# Altium PCB RFFE.PcbDoc (part 4 of 7)
Units mm, origin at the board's own origin, x right, y up, seen from the top; angles counter-clockwise.
Board outline 301.13 x 195.92 mm, 10 copper layers (RFsignal Top, Ground RF signal, Supply, SupplyGND, Digital signal, DigitalGND, CallTone RF, Ground Calltone, Ground RF signal (Plane6), RFsignal Bottom), stack 1.907 mm thick; 558 components, 369 nets, 2153 pads, 4580 vias.
Unrouted connection lines stored in the file: 1.
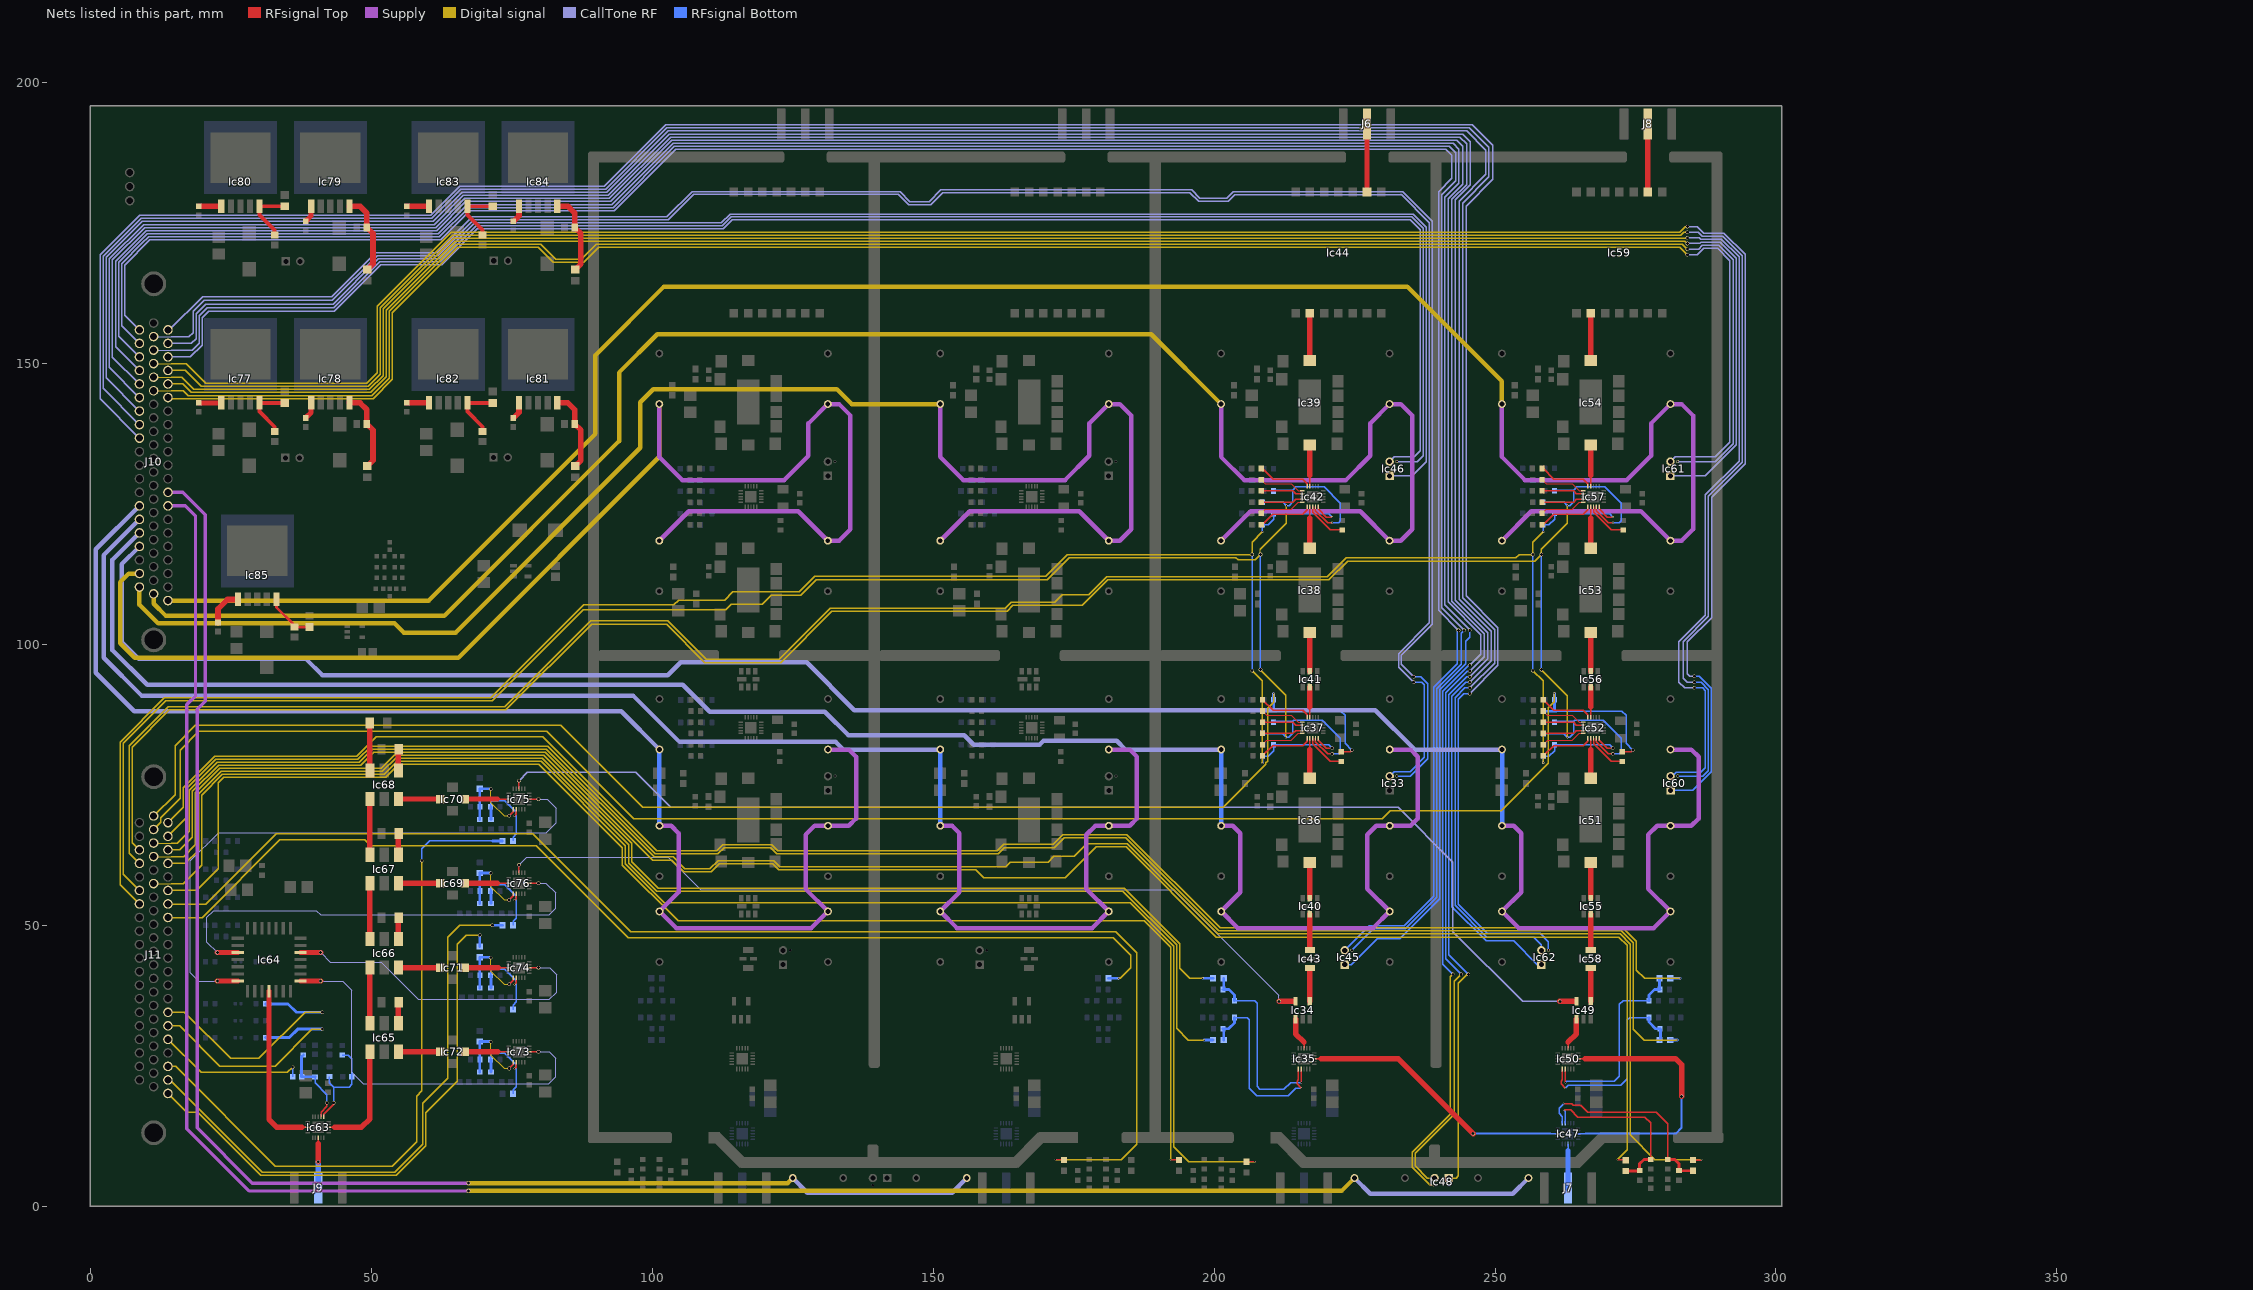
[diagram p12: the nets of this part, all layers, seen from the top]

## Via types
v1: diameter 0.35, hole 0.254, RFsignal Top to RFsignal Bottom, 1882 vias
v2: diameter 0.635, hole 0.508, RFsignal Top to RFsignal Bottom, 1038 vias
v3: diameter 0.33, hole 0.254, RFsignal Top to RFsignal Bottom, 963 vias
v4: diameter 0.381, hole 0.254, RFsignal Top to RFsignal Bottom, 596 vias
v5: diameter 1.27, hole 0.762, RFsignal Top to RFsignal Bottom, 41 vias
v6: diameter 3.9, hole 2.65, RFsignal Top to RFsignal Bottom, 20 vias
v7: diameter 0.85, hole 0.8, RFsignal Top to RFsignal Bottom, 15 vias
v8: diameter 0.635, hole 0.508, RFsignal Top to RFsignal Bottom, tented bottom, 9 vias
v9: diameter 0.6, hole 0.508, RFsignal Top to RFsignal Bottom, 8 vias
v10: diameter 5, hole 3.5, RFsignal Top to RFsignal Bottom, 4 vias
v11: diameter 1.1, hole 1, RFsignal Top to RFsignal Bottom, 2 vias
v12: diameter 1.27, hole 0.762, RFsignal Top to RFsignal Bottom, tented top, 1 vias
v13: diameter 0.85, hole 0.8, RFsignal Top to RFsignal Bottom, tented top, 1 vias

## Nets (pads, with @x,y where several pads share a name; then routed paths per layer and width w, separated by ;. In a path a pad name is that pad's centre, name@x,y a point inside that pad or via, vN(x,y) a via of type N, cw(c..) or ccw(c..) an arc to the next point about the centre after c; other vN are vias at no path point) (continued)
NetIc33_2: Ic33.2 Ic33.3 J10.1 J10.23 | length 700.1
  CallTone RF w0.127: J10.23@11.21,154.795 14.337,154.795
  CallTone RF w0.254: J10.1@14.022,156 19.934,161.912 42.914,161.912 50.759,169.756 61.563,169.756 67.935,176.128 102.589,176.128 107.075,180.614 144.078,180.614 145.851,178.841 149.291,178.841 151.354,180.905 195.977,180.905 197.466,179.416 202.236,179.416 203.434,180.614 233.57,180.614 238.857,175.327 238.857,103.588 233.295,98.026 233.295,96.455 v2(235.5,94.25) ; 14.337,154.795 17.495,154.795 18.218,155.518 18.218,159.267 20.206,161.255 43.027,161.255 50.984,169.212 61.788,169.212 68.16,175.584 102.814,175.584 107.34,180.11 143.787,180.11 145.618,178.279 149.524,178.279 151.646,180.401 195.686,180.401 197.233,178.854 202.469,178.854 203.666,180.051 233.247,180.051 233.305,180.11 238.313,175.102 238.313,103.813 232.821,98.321 232.821,95.929 v2(235.5,93.25)
  RFsignal Bottom w0.254: Ic33.2@231.557,76.54 Ic33.2@231.25,76.54 232.05,77.34 234.887,77.34 237.442,79.895 237.442,92.808 237,93.25 v2(235.5,93.25) ; Ic33.3@232.52,76.56 234.876,76.56 237.986,79.67 237.986,93.033 236.769,94.25 v2(235.5,94.25)
NetIc34_3: Ic34.3 Ic35.8 | length 5.8
  RFsignal Top w0.25: Ic35.8@216,28.095 216,29.18
  RFsignal Top w0.965: Ic34.3@214.5,33.3 214.5,30.68 216,29.18
NetIc34_4: Ic34.4 Ic76.8 | length 151.2
  RFsignal Top w0.254: Ic76.8@76.24,59.315 v2@76.24,60.74
  RFsignal Top w0.965: v2(211.54,36.45) Ic34.4@214.25,36.45
  CallTone RF w0.2: v2(76.25,60.75) 77.6,62.1 102.8,62.1 108.6,56.3 186.45,56.3 192.75,56.3 211.54,37.51 v2(211.54,36.45)
NetIc34_6: Ic34.6 Ic43.1 | length 5.9
  RFsignal Top w0.965: Ic34.6@217.04,36.45 217.04,42.36 Ic43.1@217.05,42.37
NetIc35_3: Ic35.3 Ic47.13 | length 48.8
  RFsignal Top w0.254: Ic35.3@217.845,26.25 219.1,26.25
  RFsignal Top w0.965: 219.1,26.25 232.74,26.25 v8(246.09,12.9)
  RFsignal Bottom w0.254: 259.85,12.9 Ic47.13@261.155,12.9
  RFsignal Bottom w0.381: v8(246.09,12.9) 259.85,12.9
NetIc35_16: Ic35.16 R119.2 R130.2 R145.2 | length 34.5
  RFsignal Top w0.254: Ic35.16@215,24.405 215,22.5 214.75,22.25 214.75,21.75 v3(215.5,21)
  RFsignal Bottom w0.254: R130.2@203.6,33.57 205.88,33.57 206.25,33.2 206.25,20.95 207.55,19.65 213.15,19.65 214.5,21 v3(215.5,21)
  RFsignal Bottom w0.508: R145.2@201.6,31.57 202.57,31.57 203.6,32.6 R130.2@203.6,33.57 ; R119.2@201.7,29.57 R145.2@201.7,31.47
NetIc35_17: Ic35.17 R113.2 R131.2 R146.2 | length 35.4
  RFsignal Top w0.254: v3(215.5,22) Ic35.17@215.5,24.405
  RFsignal Bottom w0.254: R131.2@203.6,36.57 207.23,36.57 207.65,36.15 207.65,21.3 208.15,20.8 212.4,20.8 213.6,22 v3(215.5,22)
  RFsignal Bottom w0.508: R146.2@201.6,38.57 202.63,38.57 203.6,37.6 R131.2@203.6,36.57 ; R146.2@201.7,38.67 R113.2@201.7,40.57
NetIc36_5: Ic36.5 Ic37.2 | length 7.1
  RFsignal Top w0.254: 217.04,81.25 Ic37.2@217.04,83.305
  RFsignal Top w0.965: Ic36.5@217.04,76.16 217.04,81.25
NetIc36_10: Ic36.10 Ic40.6 | length 6.3
  RFsignal Top w0.965: Ic40.6@217.045,54.83 Ic36.10@217.045,61.155
NetIc37_1: Ic37.1 R109.2 | length 9.6
  RFsignal Top w0.254: R109.2@208.59,80.15 210.44,82 215.75,82 216.54,82.79 Ic37.1@216.54,83.305
NetIc37_3: Ic37.3 R111.2 | length 7.4
  RFsignal Top w0.254: Ic37.3@217.54,83.305 217.54,82.34 220.69,79.19 R111.2@222.66,79.19
NetIc37_4: Ic37.4 Ic42.4 J11.48 R123.2 R126.2 R136.2 R139.2 | length 349.2
  RFsignal Top w0.254: Ic37.4@218.04,83.305 218.04,82.64 220.18,80.5 v2(221,80.5) ; Ic42.4@218.04,124.475 218.04,123.81 220.18,121.67 v4(221,121.67)
  Digital signal w0.127: v2(208.25,116) 208.25,116.97
  Digital signal w0.254: J11.48@8.67,56.2 5.771,59.099 5.771,82.385 13.344,89.958 71.488,89.958 87.693,106.163 113.056,106.163 114.017,107.124 119.514,107.124 121.14,108.75 126.38,108.75 129.133,111.503 170.243,111.503 174.186,115.446 203.88,115.446 204.266,115.06 207.31,115.06 v2(208.25,116) ; v2(208.25,95.5) 212.78,90.97 v4(212.78,83.47) ; 208.25,116.97 212.88,121.6 v4(212.88,124.71)
  RFsignal Bottom w0.254: v2(208.25,95.5) v2(208.25,116) ; R136.2@208.6,84.1 212.25,84.1 212.88,83.47 213.28,83.47 214,84.19 214,86.3 ; R139.2@208.6,125.27 212.32,125.27 v4(212.88,124.71) 213.35,124.71 214,125.36 214,127.47 ; R123.2@210.8,86.3 214,86.3 ; R126.2@210.8,127.47 214,127.47 ; v2(221,80.5) 222.15,80.5 222.45,80.8 222.45,83.3 219.25,86.5 214.2,86.5 214,86.3 ; v4(221,121.67) 222.15,121.67 222.45,121.97 222.45,125.17 219.58,128.04 214.57,128.04 214,127.47
NetIc37_5: Ic37.5 Ic42.5 J11.49 R124.2 R127.2 R137.2 R140.2 | length 325.6
  RFsignal Top w0.254: Ic37.5@218.54,83.305 218.54,82.94 219.98,81.5 v2(221,81.5) ; Ic42.5@218.54,124.475 218.54,124.11 219.98,122.67 v4(221,122.67)
  Digital signal w0.254: J11.49@8.67,53.79 5.227,57.233 5.227,82.61 13.119,90.502 71.249,90.502 87.801,107.054 103.824,107.054 104.66,107.89 112.85,107.89 114.34,109.38 126.152,109.38 128.882,112.11 169.992,112.11 173.882,116 v2(206.75,116) 206.75,118.21 v4(208.58,120.04) ; v2(206.75,95.33) 208.58,93.5 v4@208.58,78.92
  RFsignal Bottom w0.254: v2(206.75,95.33) v2(206.75,116) ; v4(208.58,120.04) R140.2@208.58,121.25 ; R137.2@208.6,80.1 209.6,80.1 210.6,81.1 210.6,82.1 220.4,82.1 v2(221,81.5) ; R140.2@208.6,121.27 209.6,121.27 210.6,122.27 210.6,123.27 220.4,123.27 v4(221,122.67) ; v4(208.63,78.87) R137.2@208.63,80.07
NetIc37_14: Ic37.14 Ic41.2 | length 5.4
  RFsignal Top w0.254: Ic37.14@217.04,86.995 217.04,88.9
  RFsignal Top w0.965: 217.045,88.905 Ic41.2@217.045,92.41
NetIc37_15: Ic37.15 R107.2 | length 9.5
  RFsignal Top w0.254: R107.2@208.59,90.15 210.49,88.25 215.75,88.25 216.54,87.46 Ic37.15@216.54,86.995
NetIc37_16: Ic37.16 R105.2 | length 7.9
  RFsignal Top w0.2: R105.2@208.59,88.15 209.332,87.408 213.732,87.408 214.99,86.15 Ic37.16@215.695,86.15
NetIc37_17: Ic37.17 R103.2 | length 7.3
  RFsignal Top w0.254: R103.2@208.59,86.15 214,86.15 214.5,85.65 Ic37.17@215.695,85.65
NetIc37_19: Ic37.19 R101.2 | length 7.3
  RFsignal Top w0.254: R101.2@208.59,84.15 214,84.15 214.5,84.65 Ic37.19@215.695,84.65
NetIc37_20: Ic37.20 R99.2 | length 7.9
  RFsignal Top w0.2: R99.2@208.6,82.15 209.35,82.9 213.75,82.9 ; 213.75,82.91 214.99,84.15 Ic37.20@215.695,84.15
NetIc38_5: Ic38.5 Ic42.2 | length 7.4
  RFsignal Top w0.254: 217.04,122.42 Ic42.2@217.04,124.475
  RFsignal Top w0.965: Ic38.5@217.04,117.11 217.04,122.42
NetIc38_10: Ic38.10 Ic41.6 | length 6.9
  RFsignal Top w0.965: Ic41.6@217.045,95.23 Ic38.10@217.045,102.105
NetIc39_5: Ic39.5 Ic44.2 | length 8.4
  RFsignal Top w0.965: Ic39.5@217.05,150.52 Ic44.2@217.05,158.95
NetIc39_10: Ic39.10 Ic42.14 | length 7.3
  RFsignal Top w0.254: Ic42.14@217.04,128.165 217.04,130.07
  RFsignal Top w0.965: 217.05,130.08 Ic39.10@217.05,135.52
NetIc40_2: Ic40.2 Ic43.3 | length 6.4
  RFsignal Top w0.965: Ic43.3@217.05,45.62 Ic40.2@217.05,52.005
NetIc42_1: Ic42.1 R110.2 | length 9.6
  RFsignal Top w0.254: R110.2@208.59,121.32 210.44,123.17 215.75,123.17 216.54,123.96 Ic42.1@216.54,124.475
NetIc42_3: Ic42.3 R112.2 | length 7.5
  RFsignal Top w0.254: Ic42.3@217.54,124.475 217.54,123.51 220.67,120.38 R112.2@222.8,120.38
NetIc42_15: Ic42.15 R108.2 | length 9.5
  RFsignal Top w0.254: R108.2@208.59,131.32 210.49,129.42 215.75,129.42 216.54,128.63 Ic42.15@216.54,128.165
NetIc42_16: Ic42.16 R106.2 | length 8.1
  RFsignal Top w0.2: R106.2@208.39,129.32 209.132,128.578 213.732,128.578 214.99,127.32 Ic42.16@215.695,127.32
NetIc42_17: Ic42.17 R104.2 | length 7.3
  RFsignal Top w0.254: R104.2@208.59,127.32 214,127.32 214.5,126.82 Ic42.17@215.695,126.82
NetIc42_19: Ic42.19 R102.2 | length 7.3
  RFsignal Top w0.254: R102.2@208.59,125.32 214,125.32 214.5,125.82 Ic42.19@215.695,125.82
NetIc42_20: Ic42.20 R100.2 | length 8.1
  RFsignal Top w0.2: R100.2@208.39,123.32 209.14,124.07 213.74,124.07 214.99,125.32 Ic42.20@215.695,125.32
NetIc44_9: Ic44.9 J6.5 | length 12.1
  RFsignal Top w0.965: Ic44.9@227.21,180.54 J6.5@227.21,192.65
NetIc45_1: Ic45.1 J10.45 | length 426.4
  CallTone RF w0.254: J10.45@8.67,151.18 4.956,154.894 4.956,167.99 10.08,173.114 61.844,173.114 67.033,178.304 92.774,178.304 103.697,189.227 242.531,189.227 243.588,188.17 243.588,182.137 241.033,179.582 241.033,107.055 v2@245.5,102.588
  RFsignal Bottom w0.254: Ic45.1@223.25,43 224.42,43 229.04,47.62 233.029,47.62 240.162,54.753 240.162,91.912 244.771,96.521 244.771,100.582 245.5,101.311 v2(245.5,102.5)
NetIc45_2: Ic45.2 Ic45.3 J10.43 J10.44 | length 832.2
  CallTone RF w0.254: J10.44@8.67,153.59 5.5,156.76 5.5,167.765 9.123,171.388 10.305,172.57 62.069,172.57 67.259,177.76 93,177.76 103.923,188.683 241.854,188.683 242.988,187.549 242.988,182.54 240.489,180.041 240.489,106.511 v2(244.5,102.5) ; J10.43@8.67,156 6.044,158.626 6.044,167.539 10.531,172.026 62.294,172.026 67.484,177.216 93.225,177.216 104.148,188.139 241.24,188.139 242.306,187.073 242.306,182.973 239.945,180.612 239.945,106.055 v2(243.5,102.5)
  RFsignal Bottom w0.254: Ic45.2@223.25,45.54 227.64,49.93 233.8,49.93 239.074,55.204 239.074,92.363 243.25,96.539 243.25,102.25 v2(243.5,102.5) ; Ic45.3@224.52,45.56 228.346,49.386 234.025,49.386 239.618,54.979 239.618,92.137 243.95,96.469 243.95,101.95 v2(244.5,102.5)
NetIc46_1: Ic46.1 J10.2 | length 286.5
  CallTone RF w0.254: J10.2@13.75,153.59 17.91,153.59 18.762,154.442 18.762,158.882 20.478,160.598 43.14,160.598 51.209,168.668 62.013,168.668 68.385,175.04 112.254,175.04 113.817,176.603 235.451,176.603 237.769,174.285 237.769,132.519 235.25,130 Ic46.1@231.23,130
NetIc46_2: Ic46.2 Ic46.3 J10.3 J10.24 | length 567.4
  CallTone RF w0.127: J10.24@11.21,152.385 14.337,152.385
  CallTone RF w0.254: J10.3@13.75,151.18 17.76,151.18 19.85,153.27 19.85,158.12 21.02,159.29 43.37,159.29 51.66,167.58 62.464,167.58 68.836,173.952 112.592,173.952 114.235,175.595 234.92,175.595 236.681,173.834 236.681,134.431 235.625,133.375 232.065,133.375 Ic46.2@231.23,132.54 ; 14.337,152.385 18.075,152.385 19.306,153.616 19.306,158.498 20.75,159.942 43.252,159.942 51.435,168.124 62.239,168.124 68.611,174.496 112.423,174.496 114.026,176.099 235.185,176.099 237.225,174.059 237.225,133.625 236.16,132.56 Ic46.3@232.5,132.56
NetIc47_3: Ic47.3 Ic50.3 | length 48.8
  RFsignal Top w0.254: Ic50.3@264.845,26.25 266.1,26.25
  RFsignal Top w0.965: 266.1,26.25 282.13,26.25 283.21,25.17 v8(283.21,19.52)
  RFsignal Bottom w0.254: Ic47.3@264.845,12.9 266.15,12.9
  RFsignal Bottom w0.381: 266.15,12.9 282.15,12.9 283.21,13.96 v8(283.21,19.52)
NetIc47_8: Ic47.8 J7.5 | length 8.1
  RFsignal Bottom w0.25: 263,9.845 Ic47.8@263,11.055
  RFsignal Bottom w0.965: J7.5@263.001,3 J7.5@263.001,3.25 ; J7.5@263.001,3.25 263.001,9.844
NetIc47_16: Ic47.16 R164.1 R182.2 R195.1 | length 36.5
  RFsignal Top w0.254: v3(262.25,18.25) 263.622,18.25 263.934,17.938 265.275,17.938 266.475,16.738 278.662,16.738 280.75,14.65 R182.2@280.75,8.3
  RFsignal Top w0.508: R182.2@280.75,8.3 281.995,8.3 282.75,7.545 R195.1@282.75,6.3 R164.1@285.25,6.3
  RFsignal Bottom w0.254: Ic47.16@262,14.745 262,15.95 261.4,16.55 261.4,17.4 v3(262.25,18.25)
NetIc47_17: Ic47.17 R165.1 R183.2 R196.1 | length 34.1
  RFsignal Top w0.254: v3(262.25,17.15) 263.465,17.15 264.766,15.849 276.701,15.849 277.75,14.8 R183.2@277.75,8.3
  RFsignal Top w0.508: R165.1@273.26,6.26 R165.1@273.239,6.25 ; R183.2@277.75,8.3 276.505,8.3 275.75,7.545 R196.1@275.75,6.3 R196.1@275.75,6.25 ; R165.1@273.239,6.25 R196.1@275.75,6.25 ; R165.1@273.239,6.25 273.26,6.25 R196.1@275.75,6.25
  RFsignal Bottom w0.254: v3(262.25,17.15) 262.5,16.9 Ic47.17@262.5,14.745
NetIc48_1: Ic48.1 J10.48 | length 473.9
  CallTone RF w0.254: J10.48@8.67,143.95 3.324,149.296 3.324,168.666 9.404,174.746 61.168,174.746 66.357,179.936 92.098,179.936 103.021,190.859 244.249,190.859 245.624,189.484 245.624,181.789 242.965,179.13 242.965,107.821 248.702,102.084 248.702,97.452 v2(245.5,94.25)
  Digital signal w0.254: Ic48.1@241.79,5 243.06,5 243.5,5.44 243.5,39.71 245.04,41.25 v2(245.25,41.25)
  RFsignal Bottom w0.254: v2(245.25,41.25) 241.794,44.706 241.794,91.067 244.977,94.25 v2(245.5,94.25)
NetIc48_2: Ic48.2 Ic48.3 J10.46 J10.47 | length 940
  CallTone RF w0.254: J10.47@8.67,146.36 3.868,151.162 3.868,168.441 9.629,174.202 61.393,174.202 66.583,179.392 92.324,179.392 103.247,190.315 243.76,190.315 244.981,189.094 244.981,181.87 242.337,179.226 242.337,107.689 248.095,101.931 248.095,97.845 v2(245.5,95.25) ; J10.46@8.67,148.77 4.412,153.028 4.412,168.215 9.855,173.658 61.618,173.658 66.808,178.848 92.549,178.848 103.472,189.771 243.166,189.771 244.286,188.651 244.286,181.926 241.665,179.305 241.665,107.549 247.488,101.726 247.488,98.238 v2(245.5,96.25)
  Digital signal w0.254: Ic48.3@239.23,3.73 238.481,3.73 235.25,6.961 235.25,9.548 242.05,16.348 242.05,40.8 v2(242.5,41.25) ; Ic48.2@239.44,5 Ic48.2@239.25,5 237.98,5 235.794,7.186 235.794,9.422 242.75,16.378 242.75,40 v2(244,41.25)
  RFsignal Bottom w0.254: v2(242.5,41.25) 240.706,43.044 240.706,91.668 245.288,96.25 v2(245.5,96.25) ; v2(244,41.25) 241.25,44 241.25,91.401 245.099,95.25 v2@245.495,95.25
NetIc49_3: Ic49.3 Ic50.8 | length 5.8
  RFsignal Top w0.25: Ic50.8@263,28.095 263,29.18
  RFsignal Top w0.965: 263,29.18 264.5,30.68 Ic49.3@264.5,33.3
NetIc49_4: Ic49.4 Ic75.8 | length 214.2
  RFsignal Top w0.254: Ic75.8@76.24,74.315 v2@76.24,75.74
  RFsignal Top w0.965: v2(261.54,36.45) Ic49.4@264.25,36.45
  CallTone RF w0.254: v2(76.25,75.75) 77.75,77.25 97,77.25 103.25,71 232.75,71 242.5,61.25 242.5,48.865 254.915,36.45 v2(261.54,36.45)
NetIc49_6: Ic49.6 Ic58.1 | length 5.9
  RFsignal Top w0.965: Ic49.6@267.04,36.45 267.04,42.36 Ic58.1@267.05,42.37
NetIc50_16: Ic50.16 R166.2 R180.2 R193.1 | length 35.5
  RFsignal Top w0.254: Ic50.16@262,24.405 262,22.5 261.75,22.25 261.75,21.75 v3(262.5,21)
  RFsignal Bottom w0.254: v3(262.5,21) 263.05,21.55 272.4,21.55 273.55,22.7 273.55,33.15 273.97,33.57 R180.2@277.4,33.57 ; R166.2@279.3,29.57 R166.2@279.45,29.57
  RFsignal Bottom w0.508: R180.2@277.4,33.57 277.4,32.75 278.58,31.57 R193.1@279.4,31.57 ; R166.2@279.45,29.57 R193.1@279.45,31.52
NetIc50_17: Ic50.17 R163.2 R181.2 R194.1 | length 37.1
  RFsignal Top w0.254: v3(262.5,22) Ic50.17@262.5,24.405
  RFsignal Bottom w0.254: v3(262.5,22) 262.699,22.199 271.199,22.199 272.15,23.15 ; 271.5,22.5 272.15,23.15 ; R181.2@277.4,36.57 272.82,36.57 272.15,35.9 272.15,23.15
  RFsignal Bottom w0.508: R181.2@277.4,36.57 277.4,37.6 278.37,38.57 R194.1@279.4,38.57 ; R194.1@279.3,38.67 R163.2@279.3,40.57
NetIc51_5: Ic51.5 Ic52.2 | length 7.1
  RFsignal Top w0.254: 267.04,81.25 Ic52.2@267.04,83.305
  RFsignal Top w0.965: Ic51.5@267.04,76.16 267.04,81.25
NetIc51_10: Ic51.10 Ic55.6 | length 6.3
  RFsignal Top w0.965: Ic55.6@267.045,54.83 Ic51.10@267.045,61.155
NetIc52_1: Ic52.1 R159.2 | length 9.6
  RFsignal Top w0.254: R159.2@258.59,80.15 260.44,82 265.75,82 266.54,82.79 Ic52.1@266.54,83.305
NetIc52_3: Ic52.3 R161.2 | length 7.4
  RFsignal Top w0.254: Ic52.3@267.54,83.305 267.54,82.34 270.69,79.19 R161.2@272.66,79.19
NetIc52_4: Ic52.4 Ic57.4 J11.45 R175.2 R178.2 R185.2 R188.2 | length 394.7
  RFsignal Top w0.254: Ic52.4@268.04,83.305 268.04,82.64 270.18,80.5 v2(271,80.5) ; Ic57.4@268.04,124.475 268.04,123.81 270.18,121.67 v4(271,121.67)
  Digital signal w0.254: J11.45@8.67,63.43 7.403,64.697 7.403,81.709 14.02,88.326 73.896,88.326 89.179,103.609 102.504,103.609 109.34,96.773 122.813,96.773 131.962,105.922 163.137,105.922 164.169,106.954 176.544,106.954 181.075,111.485 220.385,111.485 223.742,114.842 257.092,114.842 v2(258.25,116) 258.25,116.97 262.88,121.6 v4(262.88,124.71) ; v2(258.25,95.5) 262.88,90.87 v4(262.88,83.47)
  RFsignal Bottom w0.254: v2(258.25,95.5) v2(258.25,116) ; R185.2@258.6,84.1 262.25,84.1 v4(262.88,83.47) 263.28,83.47 264,84.19 264,86.3 ; R188.2@258.6,125.27 262.32,125.27 v4(262.88,124.71) 263.35,124.71 264,125.36 264,127.47 ; R175.2@260.8,86.3 264,86.3 ; R178.2@260.8,127.47 264,127.47 ; v2(271,80.5) 272.15,80.5 272.45,80.8 272.45,83.3 269.25,86.5 264.2,86.5 264,86.3 ; v4(271,121.67) 272.15,121.67 272.45,121.97 272.45,125.17 269.58,128.04 264.57,128.04 264,127.47
NetIc52_5: Ic52.5 Ic57.5 J11.46 R176.2 R179.2 R186.2 R189.2 | length 371.3
  RFsignal Top w0.254: Ic52.5@268.54,83.305 268.54,82.94 269.98,81.5 v2(271,81.5) ; Ic57.5@268.54,124.475 268.54,124.11 269.98,122.67 v4(271,122.67)
  Digital signal w0.254: J11.46@8.67,61.02 6.859,62.831 6.859,81.934 13.795,88.87 73.671,88.87 89.03,104.23 102.761,104.23 109.597,97.394 122.556,97.394 131.62,106.458 162.826,106.458 163.902,107.534 171.664,107.534 172.977,108.847 177.643,108.847 180.842,112.046 220.152,112.046 223.502,115.396 253.675,115.396 254.279,116 v2(256.75,116) 256.75,118.21 v4(258.58,120.04) ; v2(256.75,95.33) 258.58,93.5 v4(258.58,78.92)
  RFsignal Bottom w0.254: v2(256.75,95.33) v2(256.75,116) ; v4(258.58,78.92) 258.58,80.08 258.6,80.1 259.6,80.1 260.6,81.1 260.6,82.1 270.4,82.1 v2(271,81.5) ; v4(258.58,120.04) R189.2@258.58,121.25 ; R189.2@258.6,121.27 259.6,121.27 260.6,122.27 260.6,123.27 270.4,123.27 v4(271,122.67)
NetIc52_14: Ic52.14 Ic56.2 | length 5.4
  RFsignal Top w0.254: Ic52.14@267.04,86.995 267.04,88.9
  RFsignal Top w0.965: 267.045,88.905 Ic56.2@267.045,92.41
NetIc52_15: Ic52.15 R157.2 | length 9.5
  RFsignal Top w0.254: R157.2@258.59,90.15 260.49,88.25 265.75,88.25 266.54,87.46 Ic52.15@266.54,86.995
NetIc52_16: Ic52.16 R155.2 | length 7.9
  RFsignal Top w0.2: R155.2@258.59,88.15 259.332,87.408 263.732,87.408 264.99,86.15 Ic52.16@265.695,86.15
NetIc52_17: Ic52.17 R153.2 | length 7.3
  RFsignal Top w0.254: R153.2@258.59,86.15 264,86.15 264.5,85.65 Ic52.17@265.695,85.65
NetIc52_19: Ic52.19 R151.2 | length 7.3
  RFsignal Top w0.254: R151.2@258.59,84.15 264,84.15 264.5,84.65 Ic52.19@265.695,84.65
NetIc52_20: Ic52.20 R149.2 | length 7.9
  RFsignal Top w0.2: R149.2@258.6,82.15 259.35,82.9 263.75,82.9 ; 263.75,82.91 264.99,84.15 Ic52.20@265.695,84.15
NetIc53_5: Ic53.5 Ic57.2 | length 7.4
  RFsignal Top w0.254: 267.04,122.42 Ic57.2@267.04,124.475
  RFsignal Top w0.965: Ic53.5@267.04,117.11 267.04,122.42
NetIc53_10: Ic53.10 Ic56.6 | length 6.9
  RFsignal Top w0.965: Ic56.6@267.045,95.23 Ic53.10@267.045,102.105
NetIc54_5: Ic54.5 Ic59.2 | length 8.4
  RFsignal Top w0.965: Ic54.5@267.05,150.52 Ic59.2@267.05,158.95
NetIc54_10: Ic54.10 Ic57.14 | length 7.3
  RFsignal Top w0.254: Ic57.14@267.04,128.165 267.04,130.07
  RFsignal Top w0.965: 267.05,130.08 Ic54.10@267.05,135.52
NetIc55_2: Ic55.2 Ic58.3 | length 6.4
  RFsignal Top w0.965: Ic58.3@267.05,45.62 Ic55.2@267.05,52.005